# Altium PCB smoothieboard-5driver.PcbDoc (part 1 of 5) (continued)
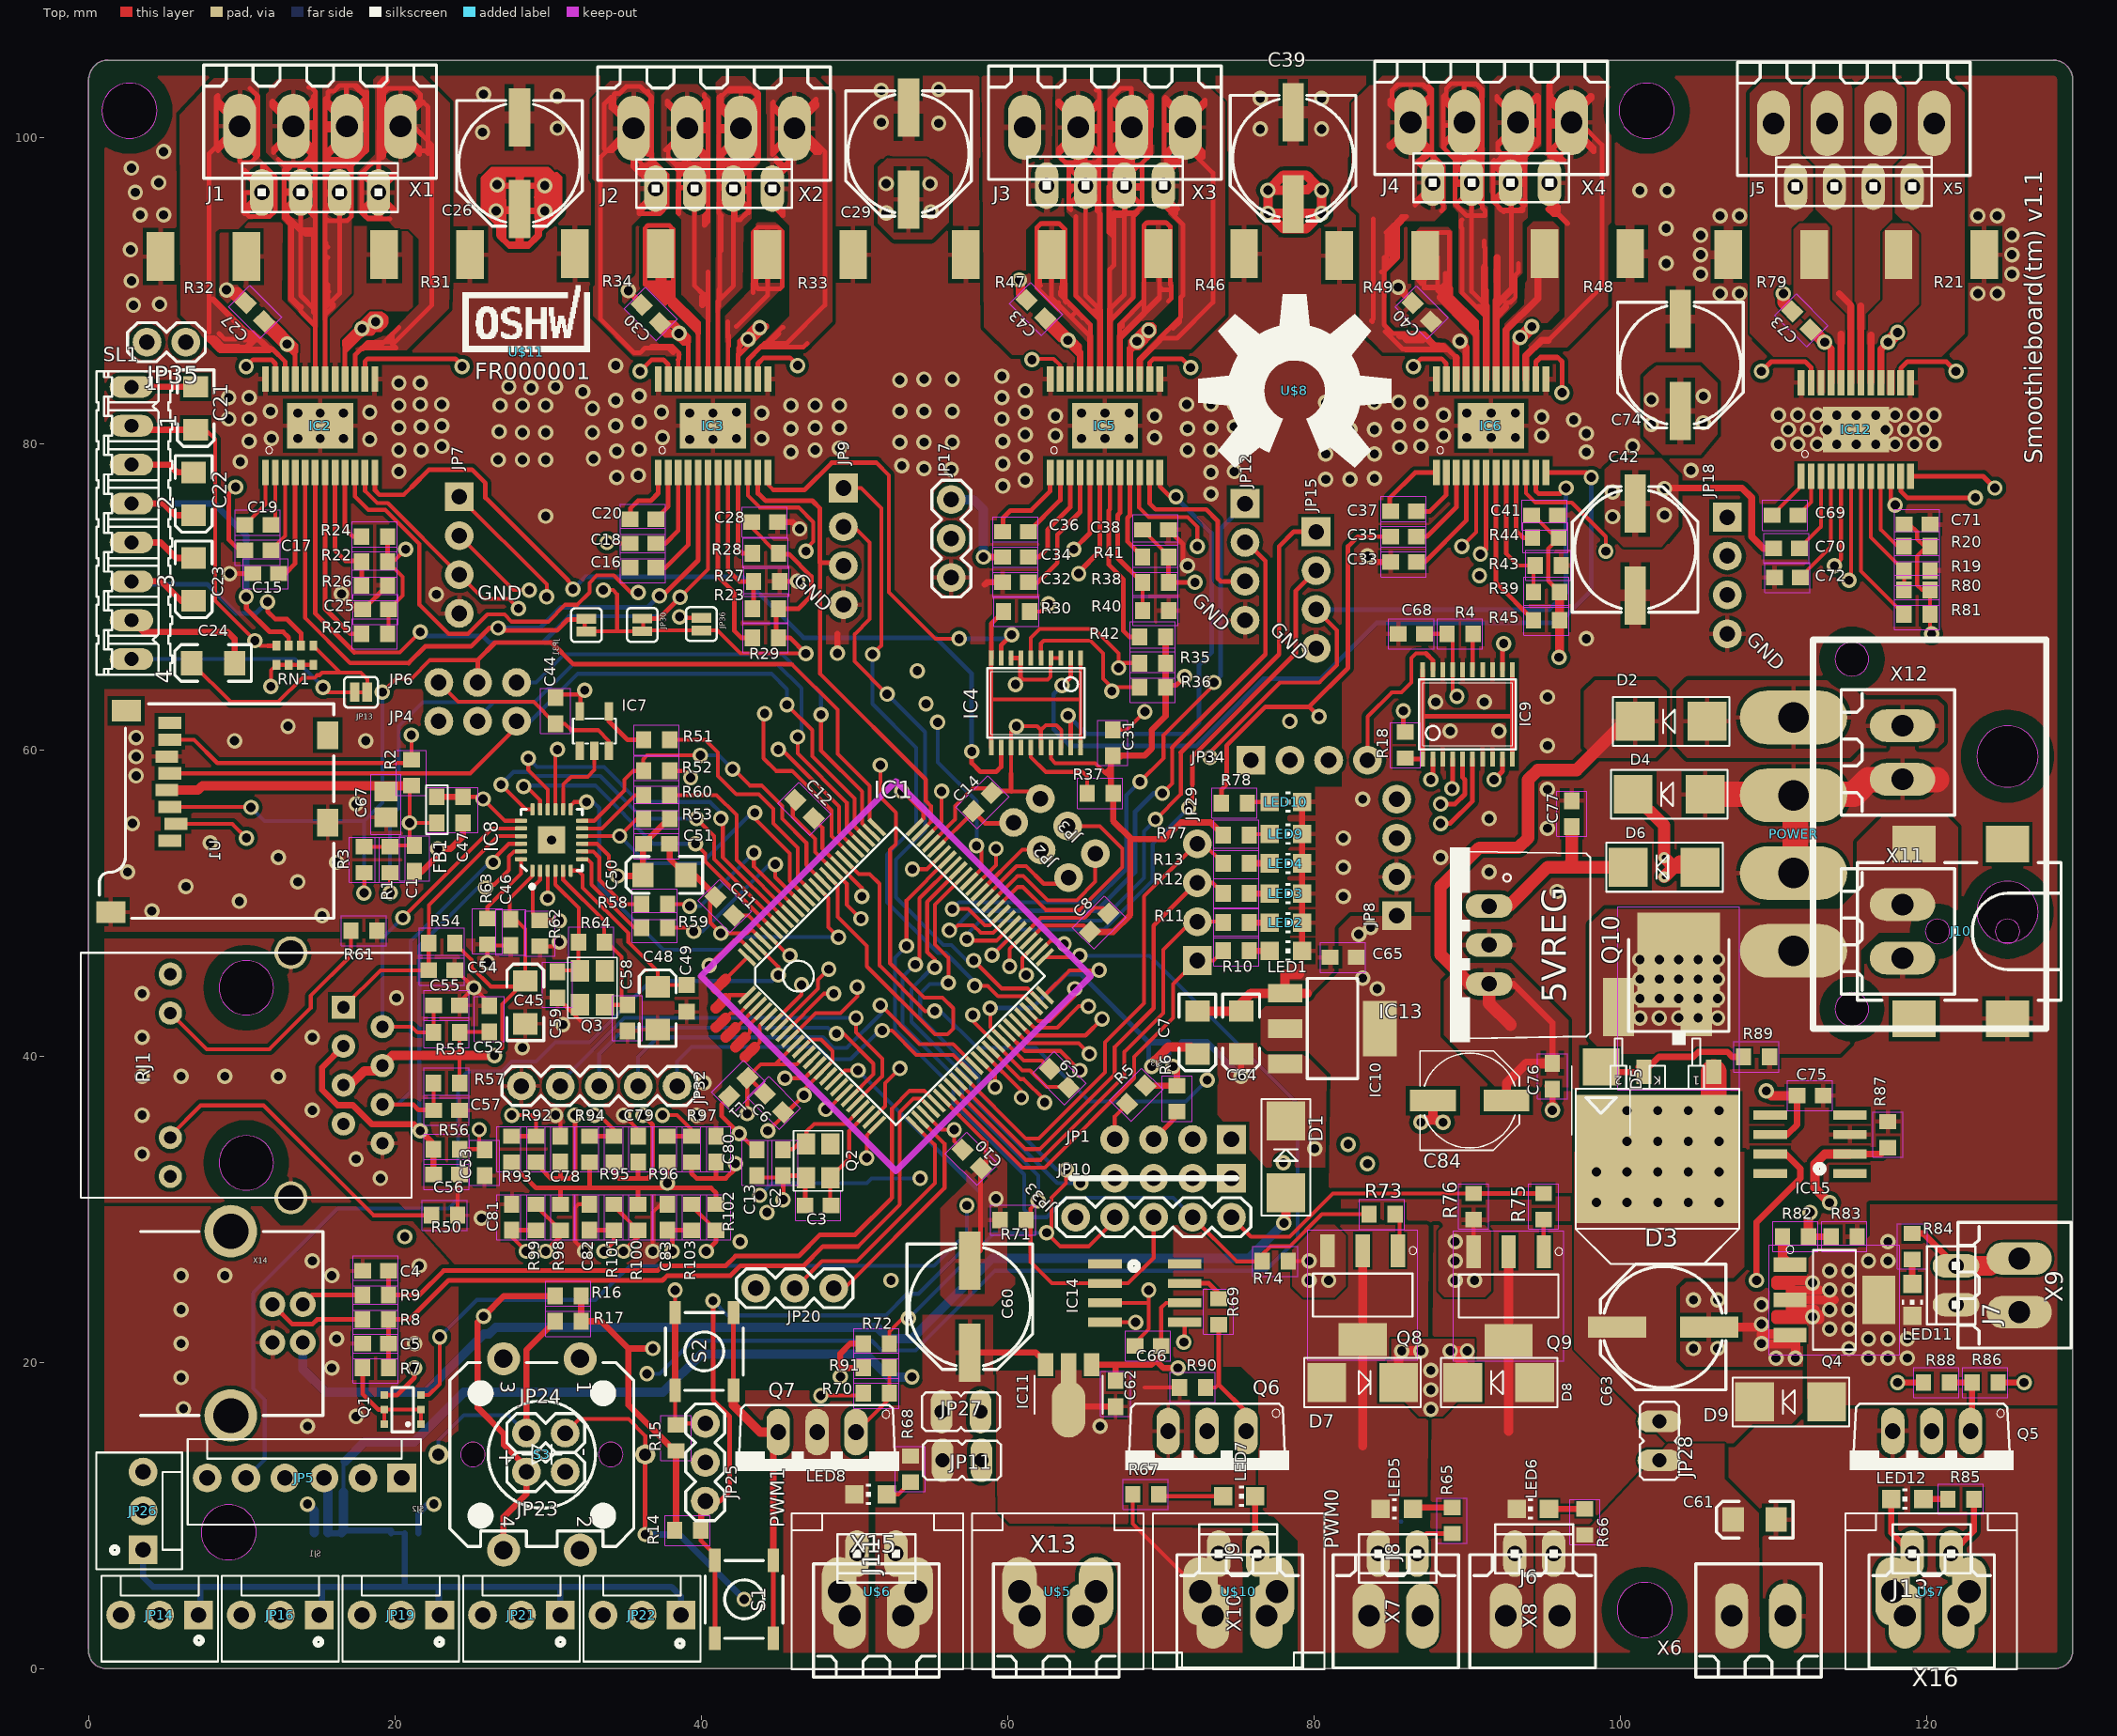
[diagram p0: Top view]
## Classes and differential pairs
polygon class PolygonThermal_ON_Width100000_Gap100000: Polygon_1_Net_3.3V Polygon_1_Net_AGND Polygon_3_Net_GND Polygon_4_Net_GND Polygon_6_Net_GND Polygon_7_Net_GND Polygon_12_Net_GND Polygon_13_Net_GND Polygon_23_Net_GND
polygon class PolygonThermal_ON_Width120000_Gap100000: Polygon_1_Net_+5V Polygon_1_Net_N$8 Polygon_1_Net_N$10 Polygon_1_Net_N$11 Polygon_1_Net_N$12 Polygon_1_Net_N$14 Polygon_1_Net_N$28 Polygon_1_Net_N$30 Polygon_1_Net_N$31 Polygon_1_Net_N$32 Polygon_1_Net_N$33 Polygon_1_Net_N$48 Polygon_1_Net_N$49 Polygon_1_Net_N$50 Polygon_1_Net_N$60 Polygon_1_Net_N$98 Polygon_1_Net_N$99 Polygon_1_Net_N$101 Polygon_1_Net_N$102 Polygon_1_Net_N$103 Polygon_1_Net_N$104 Polygon_2_Net_5V Polygon_2_Net_GND Polygon_2_Net_VBB Polygon_4_Net_MOSFET_DRIVE Polygon_9_Net_GND
polygon class PolygonThermal_ON_Width660000_Gap100000: Polygon_19_Net_GND
polygon class PolygonThermal_ON_Width320000_Gap100000: Polygon_3_Net_5V Polygon_14_Net_GND Polygon_15_Net_GND Polygon_16_Net_GND Polygon_17_Net_GND
polygon class PolygonThermal_OFF: Polygon_1_Net_5V Polygon_1_Net_MOSFET_DRIVE Polygon_1_Net_N$18 Polygon_1_Net_N$45 Polygon_1_Net_N$46 Polygon_1_Net_N$52 Polygon_1_Net_N$65 Polygon_1_Net_N$66 Polygon_1_Net_N$70 Polygon_1_Net_N$71 Polygon_1_Net_N$72 Polygon_1_Net_N$76 Polygon_1_Net_N$88 Polygon_1_Net_N$92 Polygon_1_Net_N$94 Polygon_1_Net_N$109 Polygon_1_Net_SMALL_MOSFET_POWER Polygon_1_Net_VBB Polygon_1_Net_VBB_IN Polygon_2_Net_3.3V Polygon_2_Net_AGND Polygon_2_Net_MOSFET_DRIVE Polygon_2_Net_N$52 Polygon_2_Net_N$92 Polygon_2_Net_N$94 Polygon_2_Net_SMALL_MOSFET_POWER Polygon_2_Net_VBB_IN Polygon_3_Net_MOSFET_DRIVE Polygon_3_Net_N$94 Polygon_3_Net_SMALL_MOSFET_POWER Polygon_3_Net_VBB Polygon_4_Net_SMALL_MOSFET_POWER Polygon_4_Net_VBB Polygon_7_Net_VBB Polygon_8_Net_GND Polygon_8_Net_VBB Polygon_9_Net_VBB Polygon_10_Net_GND Polygon_11_Net_GND Polygon_18_Net_GND Polygon_20_Net_GND Polygon_21_Net_GND Polygon_22_Net_GND Polygon_24_Net_GND
polygon class PolygonThermal_ON_Width160000_Gap100000: Polygon_1_Net_GND Polygon_1_Net_N$34 Polygon_5_Net_VBB Polygon_6_Net_VBB
polygon class PolygonThermal_ON_Width240000_Gap100000: Polygon_5_Net_GND
polygon class Isolate_5: Polygon_1_Net_SMALL_MOSFET_POWER
polygon class Isolate_12: Polygon_4_Net_SMALL_MOSFET_POWER
polygon class Isolate_10: Polygon_1_Net_5V Polygon_1_Net_AGND Polygon_1_Net_N$94 Polygon_2_Net_3.3V Polygon_2_Net_AGND Polygon_2_Net_MOSFET_DRIVE Polygon_2_Net_N$92 Polygon_2_Net_N$94 Polygon_3_Net_MOSFET_DRIVE Polygon_3_Net_N$94 Polygon_3_Net_SMALL_MOSFET_POWER Polygon_3_Net_VBB Polygon_4_Net_VBB Polygon_7_Net_GND Polygon_8_Net_GND Polygon_9_Net_GND Polygon_10_Net_GND Polygon_11_Net_GND Polygon_12_Net_GND Polygon_13_Net_GND
pad class SMDSolder_OFF: IC2-EPAD IC3-EPAD IC5-EPAD IC6-EPAD IC11-1 IC11-2 IC11-3 IC12-EPAD
pad class SMDPaste_OFF: IC8-THERM IC11-1 IC11-2 IC11-2@1 IC11-3 SJ1-1 SJ1-2 SJ1-3 SJ2-1 SJ2-2 SJ2-3 SJ3-1 SJ3-2 SJ3-3

## Components (designator, comment, footprint, x,y, rotation, side; value= is the part's Value field where it differs from the comment)
C1 ".1uF" C0603 21.281,52.895 r90 top
C2 "12pF" C0603 45.347,33.02 r270 top
C3 "12pF" C0603 47.633,30.226 r180 top
C4 "18pF" C0603 18.741,25.971 r0 top
C5 "18pF" C0603 18.741,21.209 r0 top
C6 ".1uF" C0603 44.753,36.936 r315 top
C7 "10uF" EIA3216 72.398,41.529 r270 top
C8 ".1uF" C0603 65.985,48.704 r225 top
C9 ".1uF" C0603 63.381,38.544 r135 top
C10 ".1uF" C0603 57.666,33.274 r135 top
C11 ".1uF" C0603 41.537,49.784 r315 top
C12 ".1uF" C0603 46.744,56.134 r135 top
C13 ".1uF" C0603 43.643,33.029 r90 top
C14 ".1uF" C0603 58.365,56.578 r225 top
C15 ".22uF" C0603 11.565,71.501 r0 top
C16 ".22uF" C0603 36.203,71.882 r0 top
C17 ".1uF" C0603 11.057,73.025 r0 top
C18 ".1uF" C0603 36.203,73.469 r0 top
C19 ".1uF" C0603 11.057,74.676 r180 top
C20 ".1uF" C0603 36.203,75.057 r180 top
C21 "10uF" EIA3216 6.993,82.296 r270 top
C22 "10uF" EIA3216 6.866,76.708 r270 top
C23 "10uF" EIA3216 6.866,71.12 r270 top
C24 "10uF" EIA3216 8.136,65.659 r180 top
C25 ".1uF" C0603 18.741,69.151 r180 top
C26 "100uF" PANASONIC_E 28.139,98.298 r270 top
C27 ".1uF" C0603 10.867,88.582 r135 top
C28 ".1uF" C0603 44.141,74.867 r0 top
C29 "100uF" PANASONIC_E 53.539,98.933 r270 top
C30 ".1uF" C0603 36.711,88.456 r135 top
C31 ".1uF" C0603 66.874,60.452 r270 top
C32 ".22uF" C0603 60.524,70.929 r0 top
C33 ".22uF" C0603 85.86,72.263 r0 top
C34 ".1uF" C0603 60.524,72.581 r0 top
C35 ".1uF" C0603 85.86,73.914 r0 top
C36 ".1uF" C0603 60.524,74.231 r180 top
C37 ".1uF" C0603 85.86,75.565 r180 top
C38 ".1uF" C0603 69.668,74.358 r0 top
C39 "100uF" PANASONIC_E 78.649,98.633 r270 top
C40 ".1uF" C0603 87.048,88.564 r135 top
C41 ".1uF" C0603 95.068,75.311 r0 top
C42 "100uF" PANASONIC_E 100.982,73.076 r90 top
C43 ".1uF" C0603 61.857,88.773 r135 top
C44 ".1uF" C0603 30.488,62.547 r270 top
C45 "10uF" EIA3216 28.52,43.497 r90 top
C46 ".1uF" C0603 27.567,48.069 r270 top
C47 ".1uF" C0603 24.456,56.07 r270 top
C48 "1uF" EIA3216 37.156,43.116 r90 top
C49 "470pF" C0603K 39.061,43.752 r270 top
C50 "10uF" EIA3216 37.6,51.816 r180 top
C51 ".1uF" C0603 37.092,53.848 r0 top
C52 ".1uF" C0603 26.17,42.418 r90 top
C53 ".1uF" C0603 25.853,33.02 r270 top
C54 "18pF" C0603 23.059,45.593 r0 top
C55 "18pF" C0603 23.376,43.307 r0 top
C56 "18pF" C0603 23.376,32.258 r0 top
C57 "18pF" C0603 23.376,36.449 r0 top
C58 "12pF" C0603 35.187,42.481 r270 top
C59 "12pF" C0603 30.615,44.64 r270 top
C60 "100uF" PANASONIC_E 57.539,23.622 r270 top
C61 "10uF" EIA3216 108.784,9.716 r180 top
C62 ".1uF" C0603 67.062,17.942 r270 top
C63 "100uF" PANASONIC_E 102.815,22.288 r180 top
C64 "10uF" EIA3216 75.256,41.529 r270 top
C65 ".1uF" C0603 81.918,46.439 r180 top
C66 ".1uF" C0603 69.182,21.058 r180 top
C67 "1uF" C0805 19.408,56.429 r90 top
C68 ".1uF" C0603 86.368,67.564 r0 top
C69 ".1uF" C0603 110.771,75.309 r180 top
C70 ".1uF" C0603 110.863,73.154 r0 top
C71 ".1uF" C0603 119.388,74.708 r0 top
C72 ".22uF" C0603 110.928,71.249 r0 top
C73 ".1uF" C0603 111.838,88.029 r135 top
C74 "100uF" PANASONIC_E 103.933,85.119 r270 top
C75 ".1uF" C0603 112.403,37.401 r0 top
C76 ".1uF" C0603 95.576,38.672 r270 top
C77 ".33uF" C0603 96.846,55.816 r90 top
C78 ".1uF" C0603 30.806,33.909 r90 top
C79 ".1uF" C0603 35.886,33.909 r90 top
C80 ".1uF" C0603 40.966,33.909 r90 top
C81 ".1uF" C0603 27.631,29.464 r90 top
C82 ".1uF" C0603 32.711,29.464 r90 top
C83 ".1uF" C0603 37.791,29.464 r90 top
C84 "100uF" PANASONIC_D 90.178,37.084 r0 top
D1 "MBRA210LT3" SMADIODE 78.177,33.401 r270 top
D2 "MBRA210LT3" SMADIODE 103.323,61.849 r0 top
D3 "VS-25CTQ045S" TO263AB 108.784,45.72 r180 top
D4 "B1100-13-F" SMADIODE 103.196,57.087 r0 top
D5 "15v" SMB 98.751,37.084 r90 top
D6 "MBRA210LT3" SMADIODE 102.878,52.324 r0 top
D7 "MBRA210LT3" SMADIODE 83.193,18.669 r180 top
D8 "MBRA210LT3" SMADIODE 92.083,18.669 r0 top
D9 "MBRA210LT3" SMADIODE 111.133,17.399 r0 top
FB1 "" 0603 22.741,56.07 r90 top
IC1 "LPC1769" LQFP100 52.713,45.212 r315 top
IC2 "" ETSSOP24 15.121,81.153 r0 top
IC3 "" ETSSOP24 40.775,81.153 r0 top
IC4 "MCP44X1" TSSOP20 61.857,63.055 r180 top
IC5 "" ETSSOP24 66.366,81.153 r0 top
IC6 "" ETSSOP24 91.575,81.153 r0 top
IC7 "" SOT23-5 33.028,61.214 r0 top
IC8 "" QFN24_4MM 30.234,54.102 r90 top
IC9 "MCP44X1" TSSOP20 90.043,62.309 r0 top
IC10 "LM1117-3.3V" SOT223 81.225,41.783 r270 top
IC11 "78L12F" SOT89 63.988,17.859 r180 top
IC12 "" ETSSOP24 115.395,80.909 r0 top
IC13 "R-78E-5.0" R-78 88.908,47.244 r270 top
IC14 "TC4427" SOIC8 68.969,24.511 r270 top
IC15 "TC4427" SOIC8 112.403,34.227 r90 top
J1 "" 10X04MTA 15.121,96.393 r0 top
J2 "" 10X04MTA 40.839,96.647 r0 top
J3 "" 10X04MTA 66.366,96.837 r0 top
J4 "" 10X04MTA 91.575,97.028 r0 top
J5 "" 10X04MTA 115.261,96.774 r0 top
J6 "" 10X02MTA 94.393,7.493 r0 top
J7 "" 10X02MTA 121.928,25.019 r90 top
J8 "" 10X02MTA 85.479,7.493 r180 top
J9 "" 10X02MTA 75.058,7.493 r0 top
J10 "" POWER_JACK_SMD 125.294,48.133 r180 top
J11 "" 10X02MTA 51.443,7.493 r180 top
J13 "" 10X02MTA 120.341,7.493 r0 top
JP1 "" 1X04_NO_SILK 74.621,34.544 r180 top
JP2 "" 1X03_NO_SILK 60.397,55.245 r315 top
JP3 "" 1X03_NO_SILK 65.731,53.213 r135 top
JP4 "" 1X03_NO_SILK 22.868,61.849 r0 top
JP5 "" MOLEX-1X6 20.445,12.429 r180 top
JP6 "" 1X03_NO_SILK 27.948,64.389 r180 top
JP7 "" 1X04_NO_SILK 24.202,76.517 r270 top
JP8 "" 1X04_NO_SILK 85.416,49.149 r90 top
JP9 "" 1X04_NO_SILK 49.284,77.089 r270 top
JP10 "" 1X04_NO_SILK 74.621,32.004 r180 top
JP11 "" JP1 57.031,13.589 r270 top
JP12 "" 1X04_NO_SILK 75.51,76.073 r270 top
JP13 "" SJ_2S 17.788,63.754 r0 top
JP14 "" MOLEX-1X3 7.184,3.492 r180 top
JP15 "" 1X04_NO_SILK 80.145,74.231 r270 top
JP16 "" MOLEX-1X3 15.058,3.492 r180 top
JP17 "" 1X03 56.333,76.327 r270 top
JP18 "" 1X04_NO_SILK 107.006,75.184 r270 top
JP19 "" MOLEX-1X3 22.932,3.492 r180 top
JP20 "" 1X03 48.649,24.828 r180 top
JP21 "" MOLEX-1X3 30.806,3.492 r180 top
JP22 "" MOLEX-1X3 38.68,3.492 r180 top
JP23 "" 1X02 28.583,12.827 r0 top
JP24 "" 1X02 28.583,15.367 r0 top
JP25 "" 1X03 40.267,10.922 r90 top
JP26 "" MOLEX-1X3 3.564,7.747 r90 top
JP27 "" JP1 56.968,16.764 r270 top
JP28 "" JP1 102.561,14.859 r0 top
JP29 "" 1X04_NO_SILK 72.398,46.228 r90 top
JP30 "" SJ_2S 36.152,68.148 r270 top
JP31 "" SJ_2S 32.507,68.135 r90 top
JP32 "" 1X05 38.426,38.036 r180 top
JP33 "" 1X05 74.621,29.464 r180 top
JP34 "" 1X04_NO_SILK 75.891,59.309 r0 top
JP35 "" 1X02 6.358,86.614 r180 top
JP36 "" SJ_2S 40.013,68.199 r270 top
L1 "" 0603 42.426,37.973 r225 top
LED1 "" CHIP-LED0805 78.177,46.863 r270 top
LED2 "" CHIP-LED0805 78.177,48.704 r270 top
LED3 "" CHIP-LED0805 78.177,50.609 r270 top
LED4 "" CHIP-LED0805 78.177,52.578 r270 top
LED5 "" CHIP-LED0805 85.416,10.414 r90 top
LED6 "" CHIP-LED0805 94.306,10.414 r90 top
LED7 "" CHIP-LED0805 75.129,11.239 r270 top
LED8 "" CHIP-LED0805 51.062,11.367 r90 top
LED9 "" CHIP-LED0805 78.177,54.483 r270 top
LED10 "" CHIP-LED0805 78.177,56.578 r270 top
LED11 "" CHIP-LED0805 119.071,24.066 r180 top
LED12 "" CHIP-LED0805 118.753,11.049 r90 top
POWER "" MOLEX8981 112.594,44.323 r0 top
Q1 "BSL207SP" SC74_INFINEON 20.508,16.894 r90 top
Q2 "12MHz" CRYSTAL_3.2X2.5 47.633,33.147 r90 top
Q3 "25MHz" CRYSTAL_3.2X2.5 32.901,44.45 r270 top
Q4 "ZXMN4A06" SOT230P700X160-4N 113.991,24.066 r0 top
Q5 "AOT240L" TO220BV 120.341,12.954 r180 top
Q6 "AOT240L" TO220BV 73.033,12.954 r180 top
Q7 "AOT240L" TO220BV 47.57,12.89 r180 top
Q8 "ZXMN4A06" SOT230P700X160-4N 83.193,24.384 r270 top
Q9 "ZXMN4A06" SOT230P700X160-4N 92.718,24.32 r270 top
Q10 "SUD50P04-08-GE3" TO252 103.831,43.752 r0 top
R1 "10K" R0603 19.682,52.813 r90 top
R2 "10K" R0603 21.082,58.498 r270 top
R3 "10K" R0603 18.004,52.813 r90 top
R4 "100K" R0603 89.543,67.564 r180 top
R5 "2.2k" R0603 68.405,37.46 r45 top
R6 "2.2k" R0603 71.065,37.211 r90 top
R7 "1.5K" R0603 18.741,19.621 r180 top
R8 "33R" R0603 18.741,22.796 r0 top
R9 "33R" R0603 18.741,24.384 r0 top
R10 "1k" R0603 74.938,46.863 r180 top
R11 "1k" R0603 74.938,48.704 r180 top
R12 "1k" R0603 74.938,50.609 r180 top
R13 "1k" R0603 74.938,52.578 r180 top
R14 "10K" R0603 39.124,9.017 r180 top
R15 "10K" R0603 38.362,15.05 r270 top
R16 "10K" R0603 31.314,24.32 r0 top
R17 "330R" R0603 31.314,22.669 r180 top
R18 "33K" R0603 85.976,60.304 r90 top
R19 "10K" R0603 119.388,71.691 r0 top
R20 "10K" R0603 119.388,73.279 r0 top
R21 "0.05R" R2512 120.976,92.329 r180 top
R22 "NP" R0603 18.677,72.263 r180 top
R23 "NP" R0603 44.204,69.215 r0 top
R24 "10K" R0603 18.677,73.914 r0 top
R25 "10K" R0603 18.677,67.564 r0 top
R26 "10K" R0603 18.677,70.739 r0 top
R27 "10K" R0603 44.268,70.993 r0 top
R28 "10K" R0603 44.204,72.834 r0 top
R29 "10K" R0603 44.204,67.31 r0 top
R30 "33K" R0603 60.587,69.025 r0 top
R31 "0.05R" R2512 22.106,92.329 r180 top
R32 "0.05R" R2512 7.501,92.202 r0 top
R33 "0.05R" R2512 47.125,92.329 r180 top
R34 "0.05R" R2512 34.552,92.392 r0 top
R35 "2.2k" R0603 69.477,65.659 r0 top
R36 "2.2k" R0603 69.477,64.072 r0 top
R37 "100K" R0603 66.048,57.15 r0 top
R38 "NP" R0603 69.668,70.929 r0 top
R39 "NP" R0603 95.195,70.294 r0 top
R40 "10K" R0603 69.668,69.088 r0 top
R41 "10K" R0603 69.668,72.581 r0 top
R42 "10K" R0603 69.477,67.373 r0 top
R43 "10K" R0603 95.308,72.029 r0 top
R44 "10K" R0603 95.131,73.85 r0 top
R45 "10K" R0603 95.195,68.453 r0 top
R46 "0.05R" R2512 72.652,92.392 r180 top
R47 "0.05R" R2512 60.079,92.329 r0 top
R48 "0.05R" R2512 97.862,92.392 r180 top
R49 "0.05R" R2512 84.463,92.266 r0 top
R50 "330R" R0603 23.249,29.591 r180 top
R51 "22R" R0603 37.092,60.642 r0 top
R52 "1.5K" R0603 37.092,58.61 r0 top
R53 "10K" R0603 37.092,55.499 r0 top
R54 "49.9R" R0603 23.059,47.371 r180 top
R55 "49.9R" R0603 23.376,41.529 r180 top
R56 "49.9R" R0603 23.376,33.909 r180 top
R57 "49.9R" R0603 23.376,38.227 r180 top
R58 "22R" R0603 36.965,49.911 r0 top
R59 "22R" R0603 36.965,48.387 r0 top
R60 "22R" R0603 37.092,57.023 r0 top
R61 "330R" R0603 17.982,48.176 r180 top
R62 "10K" R0603 29.472,48.006 r90 top
R63 "12.1K" R0603 26.043,48.133 r90 top
R64 "1M" R0603 32.838,47.434 r180 top
R65 "8.2K" R0603 89.035,9.652 r90 top
R66 "8.2K" R0603 97.693,9.565 r90 top
R67 "8.2K" R0603 69.033,11.367 r0 top
R68 "8.2K" R0603 53.666,13.018 r270 top
R69 "22R" R0603 73.785,23.294 r270 top
R70 "22R" R0603 51.443,17.97 r0 top
R71 "10k" R0603 60.359,29.281 r0 top
R72 "10k" R0603 51.443,21.209 r0 top
R73 "22R" R0603 84.463,29.654 r180 top
R74 "10k" R0603 77.478,26.585 r0 top
R75 "22R" R0603 95.004,30.162 r90 top
R76 "10k" R0603 90.432,30.162 r270 top
R77 "1k" R0603 74.938,54.419 r180 top
R78 "8.2K" R0603 74.811,56.515 r180 top
R79 "0.05R" R2512 109.863,92.329 r0 top
R80 "NP" R0603 119.388,70.421 r0 top
R81 "10K" R0603 119.388,68.834 r0 top
R82 "22R" R0603 111.451,28.194 r0 top
R83 "10k" R0603 114.626,28.194 r0 top
R84 "8.2K" R0603 119.071,27.559 r270 top
R85 "8.2K" R0603 122.246,11.049 r180 top
R86 "10k" R0603 123.833,18.669 r0 top
R87 "10k" R0603 117.483,34.861 r270 top
R88 "22R" R0603 120.658,18.669 r180 top
R89 "10k" R0603 108.911,39.941 r0 top
R90 "10k" R0603 72.081,18.351 r180 top
R91 "10k" R0603 51.443,19.621 r180 top
R92 "5k6" R0603 29.218,33.909 r270 top
R93 "1k" R0603 27.631,33.909 r270 top
R94 "1k" R0603 32.711,33.909 r270 top
R95 "5k6" R0603 34.298,33.909 r270 top
R96 "1k" R0603 37.791,33.909 r270 top
R97 "5k6" R0603 39.378,33.909 r270 top
R98 "1k" R0603 30.806,29.464 r90 top
R99 "5k6" R0603 29.218,29.464 r270 top
R100 "1k" R0603 35.886,29.464 r90 top
R101 "5k6" R0603 34.298,29.464 r270 top
R102 "1k" R0603 40.966,29.464 r90 top
R103 "5k6" R0603 39.378,29.464 r270 top
RJ1 "HR911105A" HR911105A 10.295,38.735 r180 top
RN1 "4.7K" 0603-ARV 13.47,66.167 r0 top
S1 "" TACTILE_SWITCH_SMD 42.807,4.508 r90 top
S2 "" TACTILE_SWITCH_SMD 40.204,20.701 r90 top
S3 "" TACTILE-PTH-LED-12MM 29.599,13.97 r270 top
SJ1 "" SJ_3 15.623,8.874 r0 bottom
SJ2 "" SJ_3 20.646,8.826 r180 bottom
SJ3 "" SJ_3 70.493,40.894 r0 bottom
SL1 "" 08P 2.802,74.803 r270 top
U1 "USD-SOCKETNEW" MICRO-SD-SOCKET-PP 16.01,62.992 r90 top
U$5 "" 1715250000 60.786,5.029 r0 top
U$6 "" 1715250000 49.008,5.029 r0 top
U$7 "" 1715250000 117.801,5.029 r0 top
U$8 "" OSHW-LOGO-HUGE 78.748,83.439 r0 top
U$9 "" OSHW-LOGO-HUGE 82.241,91.059 r180 bottom
U$10 "" 1715250000 77.595,5.029 r180 top
U$11 "FR000001" CERT-SMALL-SILK 28.583,85.979 r0 top
U$12 "FR000001" CERT-MED-SILK 99.703,86.614 r180 bottom
X1 "" 180G-4 15.121,100.711 r180 top
X2 "" 180G-4 40.839,100.584 r180 top
X3 "" 180G-4 66.366,100.647 r180 top
X4 "" 180G-4 91.575,100.965 r180 top
X5 "" 180G-4 115.261,100.901 r180 top
X6 "" 180G-2 109.038,3.429 r0 top
X7 "" 180G-2 85.352,3.429 r180 top
X8 "" 180G-2 94.293,3.429 r180 top
X9 "" 180G-2 126.056,25.019 r270 top
X10 "" 180G-2 75.16,3.429 r180 top
X11 "" 180G-2 118.436,48.133 r270 top
X12 "" 180G-2 118.436,59.817 r270 top
X13 "" 180G-2 63.191,3.429 r0 top
X14 "USBPTH" USB-B-PTH 12.008,22.529 r0 top
X15 "" 180G-2 51.443,3.429 r0 top
X16 "" 180G-2 120.341,3.429 r180 top

## Footprints (in the part's own frame and the unit in brackets; to place one, negate y for a bottom-side part, rotate by r counter-clockwise, add the part's x,y. Pads: shape width x height; smd on the part's side, far side on the other; paste and mask are expansions set on the pad)
1X02 [mil] "1X02"
  round 74 hole 40: 1(0,0) 2(100,0)
  silkscreen extent -50,-50 150,50
1X03 [mil] "1X03"
  round 74 hole 40: 1(0,0) 2(100,0) 3(200,0)
  silkscreen extent -50,-50 250,50
1X03_NO_SILK [mil] "1X03_NO_SILK"
  round 74 hole 40: 1(0,0) 2(100,0) 3(200,0)
1X04_NO_SILK [mil] "1X04_NO_SILK"
  rect 74x74 / inner round 68.37 / far side rect 74x74 hole 40: 1(0,0)
  round 74 hole 40: 2(100,0) 3(200,0) 4(300,0)
1X05 [mil] "1X05"
  round 74 hole 40: 1(0,0) 2(100,0) 3(200,0) 4(300,0) 5(400,0)
  silkscreen extent -50,-50 450,50
08P [mil] "08P"
  oval 56x112 hole 36: 1(-350,0) 2(-250,0) 3(-150,0) 4(-50,0) 5(50,0) 6(150,0) 7(250,0) 8(350,0)
  silkscreen extent -390,-90 390,105
10X02MTA [mil] "10X02MTA"
  oval 60x120 hole 40: 1(50,0) 2(-50,0)
  silkscreen extent -100,-50 100,75
10X04MTA [mil] "10X04MTA"
  oval 60x120 hole 40: 1(150,0) 2(50,0) 3(-50,0) 4(-150,0)
  silkscreen extent -200,-50 200,75
180G-2 [mil] "180G-2"
  oval 84x168 hole 56: 1(-68.9,0) 2(68.9,0)
  silkscreen extent -161,-157 161,134
180G-4 [mil] "180G-4"
  oval 84x168 hole 56: 1(-206.69,0) 2(-68.9,0) 3(68.9,0) 4(206.69,0)
  silkscreen extent -299,-157 299,134
0603 [mm] "0603"
  rect 1.1x1 smd: 1(-0.85,0) 2(0.85,0)
  Keep-Out Layer lines w0.051: -1.473,0.729 -1.473,-0.729 1.473,-0.729 1.473,0.729 -1.473,0.729
  silkscreen extent -1.6,-0.7 1.6,0.7
0603-ARV [mm] "0603-ARV"
  rect 0.5x0.65 smd: 1(-1.2,-0.625) 2(-0.4,-0.625) 3(0.4,-0.625) 4(1.2,-0.625) 5(1.2,0.625) 6(0.4,0.625) 7(-0.4,0.625) 8(-1.2,0.625)
1715250000 [mm] "1715250000"
  oval 2.25x4.5 hole 1.5: P$1(0,0) P$2(5,0)
  silkscreen extent -3.1,-5.1 8.1,5.1
C0603 [mm] "C0603"
  rect 1.1x1 smd: 1(-0.85,0) 2(0.85,0)
  Keep-Out Layer lines w0.051: -1.473,0.983 -1.473,-0.983 1.473,-0.983 1.473,0.983 -1.473,0.983
C0603K [mm] "C0603K"
  rect 1.05x1.08 smd: 1(-0.875,0) 2(0.875,0)
C0805 [mm] "C0805"
  rect 1.3x1.5 smd: 1(-0.85,0) 2(0.85,0)
  Keep-Out Layer lines w0.051: -1.973,0.983 -1.973,-0.983 1.973,-0.983 1.973,0.983 -1.973,0.983
CERT-MED-SILK [mm] "CERT-MED-SILK"
CERT-SMALL-SILK [mm] "CERT-SMALL-SILK"
  silkscreen extent -4.15,0 4.15,4.34
CHIP-LED0805 [mm] "CHIP-LED0805"
  rect 1.2x1.2 smd: A(0,-1.05) C(0,1.05)
  silkscreen extent -0.67,0 0.67,0.3
CRYSTAL_3.2X2.5 [mil] "CRYSTAL_3.2X2.5"
  rect 55.12x47.24 smd: 1(-43.31,-31.5) 2(43.31,31.5) GND1(-43.31,31.5) GND2(43.31,-31.5)
  silkscreen extent -78,-63 78,63
EIA3216 [mm] "EIA3216"
  rect 1.4x1.6 smd: A(1.4,0) C(-1.4,0)
  silkscreen extent -2.5,-1.2 2.5,1.2
ETSSOP24 [mm] "ETSSOP24"
  rect 4.32x3 smd mask+0: EPAD(0,0)
  rect 0.45x1.65 smd: P01(-3.575,-3.05) P02(-2.925,-3.05) P03(-2.275,-3.05) P04(-1.625,-3.05) P05(-0.975,-3.05) P06(-0.325,-3.05) P07(0.325,-3.05) P08(0.975,-3.05) P09(1.625,-3.05) P10(2.275,-3.05) P11(2.925,-3.05) P12(3.575,-3.05) P13(3.575,3.05) P14(2.925,3.05) P15(2.275,3.05) P16(1.625,3.05) P17(0.975,3.05) P18(0.325,3.05) P19(-0.325,3.05) P20(-0.975,3.05) P21(-1.625,3.05) P22(-2.275,3.05) P23(-2.925,3.05) P24(-3.575,3.05)
  silkscreen extent -3.55,-1.82 -3.1,-1.38
HR911105A [mil] "HR911105A"
  round 60 hole 32: G+(195,-260) G-(195,-160) GND(-350,175) NC(-250,125) P4(-350,-25) P5(-250,25) RD+(-250,-75) RD-(-350,75) TD-(-350,-125) Y+(195,260) Y-(195,160)
  round 85 hole 65: SHIELD0(-115,315) SHIELD1(-115,-315)
  rect 60x60 / inner round 55.43 / far side rect 60x60 hole 32: TD+(-250,-175)
  silkscreen extent -425,-315 425,315
JP1 [mil] "JP1"
  oval 112x56 hole 36: 1(0,-50) 2(0,50)
  silkscreen extent -50,-100 50,100
LQFP100 [mm] "LQFP100"
  rect 0.27x1.5 smd: 1(-6,-7.75) 2(-5.5,-7.75) 3(-5,-7.75) 4(-4.5,-7.75) 5(-4,-7.75) 6(-3.5,-7.75) 7(-3,-7.75) 8(-2.5,-7.75) 9(-2,-7.75) 10(-1.5,-7.75) 11(-1,-7.75) 12(-0.5,-7.75) 13(0,-7.75) 14(0.5,-7.75) 15(1,-7.75) 16(1.5,-7.75) 17(2,-7.75) 18(2.5,-7.75) 19(3,-7.75) 20(3.5,-7.75) 21(4,-7.75) 22(4.5,-7.75) 23(5,-7.75) 24(5.5,-7.75) 25(6,-7.75) 51(6,7.75) 52(5.5,7.75) 53(5,7.75) 54(4.5,7.75) 55(4,7.75) 56(3.5,7.75) 57(3,7.75) 58(2.5,7.75) 59(2,7.75) 60(1.5,7.75) 61(1,7.75) 62(0.5,7.75) 63(0,7.75) 64(-0.5,7.75) 65(-1,7.75) 66(-1.5,7.75) 67(-2,7.75) 68(-2.5,7.75) 69(-3,7.75) 70(-3.5,7.75) 71(-4,7.75) 72(-4.5,7.75) 73(-5,7.75) 74(-5.5,7.75) 75(-6,7.75)
  rect 1.5x0.27 smd: 26(7.75,-6) 27(7.75,-5.5) 28(7.75,-5) 29(7.75,-4.5) 30(7.75,-4) 31(7.75,-3.5) 32(7.75,-3) 33(7.75,-2.5) 34(7.75,-2) 35(7.75,-1.5) 36(7.75,-1) 37(7.75,-0.5) 38(7.75,0) 39(7.75,0.5) 40(7.75,1) 41(7.75,1.5) 42(7.75,2) 43(7.75,2.5) 44(7.75,3) 45(7.75,3.5) 46(7.75,4) 47(7.75,4.5) 48(7.75,5) 49(7.75,5.5) 50(7.75,6) 76(-7.75,6) 77(-7.75,5.5) 78(-7.75,5) 79(-7.75,4.5) 80(-7.75,4) 81(-7.75,3.5) 82(-7.75,3) 83(-7.75,2.5) 84(-7.75,2) 85(-7.75,1.5) 86(-7.75,1) 87(-7.75,0.5) 88(-7.75,0) 89(-7.75,-0.5) 90(-7.75,-1) 91(-7.75,-1.5) 92(-7.75,-2) 93(-7.75,-2.5) 94(-7.75,-3) 95(-7.75,-3.5) 96(-7.75,-4) 97(-7.75,-4.5) 98(-7.75,-5) 99(-7.75,-5.5) 100(-7.75,-6)
  Keep-Out Layer lines w0.406: -9,-9 -9,9 9,9 9,-9 -9,-9
  silkscreen extent -6.87,-6.87 6.87,6.87
MICRO-SD-SOCKET-PP [mil] "MICRO-SD-SOCKET-PP"
  rect 31.5x59.06 smd: 1(-351.97,421.26) 2(-308.66,405.51) 3(-265.35,421.26) 4(-222.05,429.13) 5(-178.74,421.26) 6(-135.43,429.13) 7(-92.13,421.26) 8(-48.82,421.26)
  rect 70.87x55.12 smd: CD1(-80.71,15.75) CD2(-305.12,15.75)
  rect 55.12x74.8 smd: GND1(-535.43,572.83) GND3(-17.72,533.46)
  silkscreen extent -551,0 0,602
MOLEX8981 [mm] "MOLEX8981"
  oval 7x3.5 hole 2: P$1(-1.27,2.54) P$2(-1.27,7.62) P$3(-1.27,12.7) P$4(-1.27,17.78)
  silkscreen extent 0,-2.54 15.24,22.86
MOLEX-1X3 [mil] "MOLEX-1X3"
  rect 74x74 / inner round 68.37 / far side rect 74x74 hole 40: 1(0,0)
  round 74 hole 40: 2(100,0) 3(200,0)
  silkscreen extent -50,-100 250,120
MOLEX-1X6 [mil] "MOLEX-1X6"
  rect 74x74 / inner round 68.37 / far side rect 74x74 hole 40: 1(0,0)
  round 74 hole 40: 2(100,0) 3(200,0) 4(300,0) 5(400,0) 6(500,0)
  silkscreen extent -50,-100 550,120
OSHW-LOGO-HUGE [mm] "OSHW-LOGO-HUGE"
  silkscreen extent -6.3,-5 6.3,6.3
PANASONIC_D [mm] "PANASONIC_D"
  rect 3x1.4 smd: +(2.4,0) -(-2.4,0)
  silkscreen extent -3.25,-3.25 3.25,3.25
PANASONIC_E [mm] "PANASONIC_E"
  rect 3.8x1.4 smd: +(3,0) -(-3,0)
  silkscreen extent -4.1,-4.1 4.1,4.1
POWER_JACK_SMD [mm] "POWER_JACK_SMD"
  rect 2.8x2.4 smd: GND(0,-5.7) P$4(6.1,-5.7) VIN0(0,5.7) VIN1(6.1,5.7)
  silkscreen extent -3.5,-4.5 9.8,4.5
QFN24_4MM [mil] "QFN24_4MM"
  rrect50% 31.5x11.02 smd: 1(-78.74,49.21) 2(-78.74,29.53) 3(-78.74,9.84) 4(-78.74,-9.84) 5(-78.74,-29.53) 6(-78.74,-49.21) 13(78.74,-49.21) 14(78.74,-29.53) 15(78.74,-9.84) 16(78.74,9.84) 17(78.74,29.53) 18(78.74,49.21)
  rrect50% 11.02x31.5 smd: 7(-49.21,-78.74) 8(-29.53,-78.74) 9(-9.84,-78.74) 10(9.84,-78.74) 11(29.53,-78.74) 12(49.21,-78.74) 19(49.21,78.74) 20(29.53,78.74) 21(9.84,78.74) 22(-9.84,78.74) 23(-29.53,78.74) 24(-49.21,78.74)
  rect 70x70 smd paste+0: THERM(0,0)
  silkscreen extent -125,-79 79,79
R0603 [mm] "R0603"
  rect 1x1.1 smd: 1(-0.85,0) 2(0.85,0)
  Keep-Out Layer lines w0.051: -1.473,0.983 -1.473,-0.983 1.473,-0.983 1.473,0.983 -1.473,0.983
R2512 [mm] "R2512"
  rect 1.8x3.2 smd: 1(-2.8,0) 2(2.8,0)
R-78 [mil] "R-78"
  oval 60x120 hole 40: 1(-100,100) 2(0,100) 3(100,100)
  silkscreen extent -250,0 250,360
SC74_INFINEON [mm] "SC74_INFINEON"
  rect 0.5x0.5 smd: 1(-0.95,-1.2) 2(0,-1.2) 3(0.95,-1.2) 4(0.95,1.2) 5(0,1.2) 6(-0.95,1.2)
  silkscreen extent -1.45,-0.7 1.45,0.7
SJ_2S [mm] "SJ_2S"
  rect 0.635x1.27 smd: 1(-0.412,0) 2(0.412,0)
  silkscreen extent -1.1,-1 1.1,1
SJ_3 [mil] "SJ_3"
  rect 25x50 smd paste+0: 1(-35,0) 2(0,0) 3(35,0)
SMADIODE [mil] "SMADIODE"
  rect 100x100 smd: A(92.5,0) C(-92.5,0)
  silkscreen extent -149,-63 150,63
SMB [mm] "SMB"
  rect 2.4x2.4 smd: A(2.2,0) C(-2.2,0)
  silkscreen extent -2.26,-1.91 2.26,1.91
SOIC8 [mm] "SOIC8"
  rect 0.6x2.2 smd: 1(-1.905,-2.6) 2(-0.635,-2.6) 3(0.635,-2.6) 4(1.905,-2.6) 5(1.905,2.6) 6(0.635,2.6) 7(-0.635,2.6) 8(-1.905,2.6)
SOT23-5 [mm] "SOT23-5"
  rect 0.55x1.2 smd: 1(-0.95,-1.3) 2(0,-1.3) 3(0.95,-1.3) 4(0.95,1.3) 5(-0.95,1.3)
  silkscreen extent -1.4,-0.8 1.4,0.8
SOT89 [mm] "SOT89"
  rect 1x1.5 smd paste+0 mask+0: 1(-1.499,-1.981) 3(1.499,-1.981)
  rect 1x2 smd paste+0 mask+0: 2(0,-1.727)
  rrect100% 2.2x3.7 smd paste+0: 2@1(0,0.94)
  silkscreen extent -2.23,-1.25 2.23,1.22
SOT223 [mil] "SOT223"
  rect 48x88 smd: 1(-91,-122) 2(0,-122) 3(91,-122)
  rect 141.73x86.61 smd: 4(0,122.01)
  silkscreen extent -129,-65 129,65
SOT230P700X160-4N [mm] "SOT230P700X160-4N"
  rect 2.15x0.95 smd: 1(-2.9,2.3) 2(-2.9,0) 3(-2.9,-2.3)
  rect 2.15x3.15 smd: 4(2.9,0)
  Keep-Out Layer lines w0: -4.25,-3.6 4.25,-3.6 4.25,3.6 -4.25,3.6 -4.25,-3.6
  silkscreen extent -3.15,-3.25 1.4,3.53
TACTILE-PTH-LED-12MM [mil] "TACTILE-PTH-LED-12MM"
  round 85 hole 47.24: 1(-246.06,98.43) 2(246.06,98.43) 3(-246.06,-98.43) 4(246.06,-98.43)
  round 51.5 hole 31.5: A(0,265.75) C(0,-265.75)
  silkscreen extent -236,-236 236,236
TACTILE_SWITCH_SMD [mil] "TACTILE_SWITCH_SMD"
  rect 60x30 smd: 1(-100,75) 2(100,75) 3(-100,-75) 4(100,-75)
  silkscreen extent -100,-100 100,100
TO220BV [mil] "TO220BV"
  oval 60x120 hole 40: D(0,-100) G(-100,-100) S(100,-100)
  silkscreen extent -210,-170 210,0
TO252 [mm] "TO252"
  rect 1x1.6 smd: 1(-2.28,-4.8) 2(2.28,-4.8)
  rect 5.4x6.2 smd: 3(0,2.5)
  Keep-Out Layer lines w0.051: -3.973,-5.983 3.973,-5.983 3.973,5.983 -3.973,5.983 -3.973,-5.983
  silkscreen extent -3.28,-3.02 3.28,3.84
TO263AB [mil] "TO263AB"
  rect 80x150 smd: 1(150,100) 2(350,100)
  rect 420x330 smd: K(250,490)
  silkscreen extent 40,180 460,760
TSSOP20 [mil] "TSSOP20"
  rect 12x39 smd: 1(-115.16,-114.87) 2(-89.57,-114.87) 3(-63.98,-114.87) 4(-38.39,-114.87) 5(-12.8,-114.87) 6(12.8,-114.87) 7(38.39,-114.87) 8(63.98,-114.87) 9(89.57,-114.87) 10(115.16,-114.87) 11(115.16,114.87) 12(89.57,114.87) 13(63.98,114.87) 14(38.39,114.87) 15(12.8,114.87) 16(-12.8,114.87) 17(-38.39,114.87) 18(-63.98,114.87) 19(-89.57,114.87) 20(-115.16,114.87)
  silkscreen extent -125,-90 125,90
USB-B-PTH [mil] "USB-B-PTH"
  round 66 hole 36: D+(0,49.21) D-(78,49.21) GND(0,-49.21) VBUS(78,-49.21)
  round 135 hole 90: S1(-107,-237) S2(-107,237)
  silkscreen extent -339,-236 130,236

## Part data
C1 C2 C3 C4 C5 C6 C8 C9 C10 C11 C12 C13 C14 C15 C16 C17 C18 C19 C20 C25 C27 C28 C30 C31 C32 C33 C34 C35 C36 C37 C38 C40 C41 C43 C44 C46 C47 C51 C52 C53 C54 C55 C56 C57 C58 C59 C62 C65 C66 C68 C69 C70 C71 C72 C73 C75 C76 C77 C78 C79 C80 C81 C82 C83: library part C0603, PackageName=C0603
C7 C21 C22 C23 C24 C45 C48 C50 C61 C64: library part EIA3216, PackageName=EIA3216
C26 C29 C39 C42 C60 C63 C74: library part PANASONIC_E, PackageName=PANASONIC_E
C49: library part C0603K, PackageName=C0603K
C67: library part C0805, PackageName=C0805
C84: library part PANASONIC_D, PackageName=PANASONIC_D
D1 D2 D4 D6 D7 D8 D9: library part SMADIODE, PackageName=SMADIODE
D3: library part TO263AB, PackageName=TO263AB
D5: library part SMB, PackageName=SMB
FB1 L1: library part 0603, PackageName=0603
IC1: library part LQFP100, PackageName=LQFP100
IC2 IC3 IC5 IC6 IC12: library part ETSSOP24, PackageName=ETSSOP24
IC4 IC9: library part TSSOP20, PackageName=TSSOP20
IC7: library part SOT23-5, PackageName=SOT23-5
IC8: library part QFN24_4MM, PackageName=QFN24_4MM
IC10: library part SOT223, PackageName=SOT223
IC11: library part SOT89, PackageName=SOT89
IC13: library part R-78, PackageName=R-78
IC14 IC15: library part SOIC8, PackageName=SOIC8
J1 J2 J3 J4 J5: library part 10X04MTA, PackageName=10X04MTA
J6 J7 J8 J9 J11 J13: library part 10X02MTA, PackageName=10X02MTA
J10: library part POWER_JACK_SMD, PackageName=POWER_JACK_SMD
JP1 JP7 JP8 JP9 JP10 JP12 JP15 JP18 JP29 JP34: library part 1X04_NO_SILK, PackageName=1X04_NO_SILK
JP2 JP3 JP4 JP6: library part 1X03_NO_SILK, PackageName=1X03_NO_SILK
JP5: library part MOLEX-1X6, PackageName=MOLEX-1X6
JP11 JP27 JP28: library part JP1, PackageName=JP1
JP13 JP30 JP31 JP36: library part SJ_2S, PackageName=SJ_2S
JP14 JP16 JP19 JP21 JP22 JP26: library part MOLEX-1X3, PackageName=MOLEX-1X3
JP17 JP20 JP25: library part 1X03, PackageName=1X03
JP23 JP24 JP35: library part 1X02, PackageName=1X02
JP32 JP33: library part 1X05, PackageName=1X05
LED1 LED2 LED3 LED4 LED5 LED6 LED7 LED8 LED9 LED10 LED11 LED12: library part CHIP-LED0805, PackageName=CHIP-LED0805
POWER: library part MOLEX8981, PackageName=MOLEX8981
Q1: library part SC74_INFINEON, PackageName=SC74_INFINEON
Q2 Q3: library part CRYSTAL_3.2X2.5, PackageName=CRYSTAL_3.2X2.5
Q4 Q8 Q9: library part SOT230P700X160-4N, PackageName=SOT230P700X160-4N
Q5 Q6 Q7: library part TO220BV, PackageName=TO220BV
Q10: library part TO252, PackageName=TO252
R1 R2 R3 R4 R5 R6 R7 R8 R9 R10 R11 R12 R13 R14 R15 R16 R17 R18 R19 R20 R22 R23 R24 R25 R26 R27 R28 R29 R30 R35 R36 R37 R38 R39 R40 R41 R42 R43 R44 R45 R50 R51 R52 R53 R54 R55 R56 R57 R58 R59 R60 R61 R62 R63 R64 R65 R66 R67 R68 R69 R70 R71 R72 R73 R74 R75 R76 R77 R78 R80 R81 R82 R83 R84 R85 R86 R87 R88 R89 R90 R91 R92 R93 R94 R95 R96 R97 R98 R99 R100 R101 R102 R103: library part R0603, PackageName=R0603
R21 R31 R32 R33 R34 R46 R47 R48 R49 R79: library part R2512, PackageName=R2512
RN1: library part 0603-ARV, PackageName=0603-ARV
S1 S2: library part TACTILE_SWITCH_SMD, PackageName=TACTILE_SWITCH_SMD
S3: library part TACTILE-PTH-LED-12MM, PackageName=TACTILE-PTH-LED-12MM
SJ1 SJ2 SJ3: library part SJ_3, PackageName=SJ_3
SL1: library part 08P, PackageName=08P
U1: library part MICRO-SD-SOCKET-PP, PackageName=MICRO-SD-SOCKET-PP
U$5 U$6 U$7 U$10: library part 1715250000, PackageName=1715250000
U$8 U$9: library part OSHW-LOGO-HUGE, PackageName=OSHW-LOGO-HUGE
U$11: library part CERT-SMALL-SILK, PackageName=CERT-SMALL-SILK
U$12: library part CERT-MED-SILK, PackageName=CERT-MED-SILK
X1 X2 X3 X4 X5: library part 180G-4, PackageName=180G-4
X6 X7 X8 X9 X10 X11 X12 X13 X15 X16: library part 180G-2, PackageName=180G-2
X14: library part USB-B-PTH, PackageName=USB-B-PTH
RJ1: PackageName=HR911105A

## Free pads (board coordinates)
  round 3.556 hole 3.556 unplated: MH1(10.295,44.45) MH2(10.295,33.02)
  round 1.6 hole 1.6 unplated: MH1(34.099,13.97) MH1(125.294,48.133) MH2(25.099,13.97) MH2(120.722,48.133)
  round 3.6 hole 3.6 unplated: MH1(101.735,101.727) MH2(2.675,101.727) MH3(9.152,8.89) MH4(101.608,3.81)
  round 2.2 hole 2.2 unplated: MH1(115.134,65.913) MH2(115.134,43.053)
  round 4 hole 4 unplated: MH3(125.294,49.403) MH4(125.294,59.563)

## Via types
v1: diameter 1.006/1.006/1.006/1.006 (per signal layer), hole 0.6, Top to Bottom, tented both sides, 666 vias
v2: diameter 0.737/0.737/0.737/0.737 (per signal layer), hole 0.33, Top to Bottom, tented both sides, 2 vias
v3: diameter 1.016/1.006/1.006/1.016 (per signal layer), hole 0.6, Top to Bottom, tented both sides, 1 vias

## Nets (pads, with @x,y where several pads share a name; then routed paths per layer and width w, separated by ;. In a path a pad name is that pad's centre, name@x,y a point inside that pad or via, vN(x,y) a via of type N, cw(c..) or ccw(c..) an arc to the next point about the centre after c; other vN are vias at no path point)
3.3V: C1.2 C7.A C8.2 C9.2 C10.2 C11.2 C12.2 C13.2 C14.2 C25.1 C28.1 C31.2 C38.1 C41.1 C44.1 C50.A C51.1 C65.1 C67.2 C68.2 C71.1 FB1.1 IC1.19 IC1.28 IC1.42 IC1.54 IC1.71 IC1.84 IC1.96 IC4.17 IC7.5 IC8.9 IC9.4 IC9.17 IC10.2 IC10.4 JP1.1 JP2.1 JP4.1 JP8.1 JP17.2 JP30.2 JP31.1 JP36.2 L1.2 Q1.4 R1.2 R2.2 R3.2 R4.2 R14.2 R15.2 R16.2 R17.1 R18.2 R20.2 R22.1 R23.2 R24.2 R25.2 R28.2 R29.2 R30.2 R35.2 R36.2 R37.2 R38.2 R39.2 R41.2 R42.2 R44.2 R45.2 R52.2 R53.2 R77.2 R80.2 R81.2 SJ1.1 SJ2.1 SJ3.1 U1.4 | length 335.3
  Top w0.254: R3.2@18.004,53.663 R1.2@19.682,53.663 19.765,53.745 C1.2@21.281,53.745 20.963,54.063 v1(20.963,55.218) ; R25.2@19.527,67.564 19.59,67.627 C25.1@19.59,69.151 20.508,70.069 20.508,71.282 R22.1@19.527,72.263 19.884,72.263 v1(20.709,73.088) ; R2.2@21.082,57.648 20.963,57.529 v1(20.963,55.218) ; FB1.1@22.741,55.221 22.738,55.218 v1(20.963,55.218) ; C44.1@30.488,63.397 30.693,63.603 v1@32.115,63.603 ; IC7.5@32.115,62.551 v1@32.115,63.603 ; IC8.9@32.234,53.852 33.214,53.852 33.981,53.086 33.981,52.261 34.489,51.752 v1(34.552,51.752) ; v1(32.393,63.881) v1@32.115,63.603 ; JP31.1@32.507,67.724 34.508,67.724 ; v1(33.612,70.428) 34.247,70.428 34.508,70.166 34.508,67.724 ; C50.A@36.203,51.816 C50.A@36.2,51.816 36.263,51.752 C50.A@36.267,51.752 ; R53.2@37.854,55.499 R53.2@37.942,55.499 ; R52.2@37.942,58.61 38.87,58.61 v1(39.315,58.166) ; R14.2@38.255,9.037 R14.2@38.274,9.017 ; C11.2@42.138,49.183 43.085,49.183 IC1.96@44.404,47.864 45.723,46.545 v1(45.792,46.545) ; v1(42.49,34.925) 43.535,33.879 C13.2@43.643,33.879 ; C28.1@43.05,75.107 C28.1@43.291,74.867 43.291,74.51 45.03,72.771 45.03,72.81 R28.2@45.054,72.834 ; R29.2@45.03,67.31 R29.2@45.054,67.31 ; C12.2@46.143,56.735 45.982,56.574 45.982,55.626 47.443,54.165 47.443,53.311 IC1.84@48.647,52.106 49.508,51.246 49.508,49.877 v1(50.427,48.959) ; v1(46.832,66.27) 46.808,66.294 42.553,66.294 41.06,67.787 JP36.2@40.013,67.787 36.203,67.787 JP30.2@36.152,67.736 36.14,67.724 34.508,67.724 ; v1(48.141,36.512) 48.256,36.512 IC1.19@49.354,37.611 ; IC1.28@54.658,36.196 55.675,35.179 v1(56.523,35.179) 56.523,34.417 C10.2@57.065,33.875 ; IC1.71@55.365,53.521 57.764,55.919 C14.2@57.764,55.978 57.793,55.948 C14.2@57.793,55.944 ; v1(58.873,43.121) 58.873,41.881 IC1.42@59.607,41.146 61.066,39.688 62.238,39.688 C9.2@62.78,39.145 C9.2@62.81,39.116 ; IC1.54@61.375,47.51 62.379,48.514 64.973,48.514 C8.2@65.384,48.104 ; R30.2@61.437,69.025 62.175,69.025 v1(62.683,69.532) ; IC4.17@62.832,60.138 62.832,59.413 63.127,59.118 65.731,59.118 66.366,58.483 66.493,58.483 ; C31.2@66.747,59.475 C31.2@66.874,59.602 C31.2@66.874,59.627 ; C38.1@68.818,74.358 70.517,72.658 R41.2@70.517,72.581 ; R4.2@88.693,67.564 89.068,67.189 IC9.17@89.068,65.227 89.068,63.762 v1(89.341,63.489) ; C41.1@94.218,75.311 94.337,75.311 95.783,73.865 95.981,73.865 R44.2@95.981,73.85 ; R39.2@96.044,70.294 95.308,71.031 95.308,73.129 95.966,73.787 R44.2@96.044,73.787 ; C71.1@118.538,74.708 118.912,74.708 119.388,74.231 119.388,73.755 119.864,73.279 R20.2@120.238,73.279 ; R20.2@120.238,73.176 120.023,73.176 119.92,73.176 119.388,72.644 119.388,70.739 119.706,70.421 R80.2@120.238,70.421 R81.2@120.238,68.834 120.238,67.667 v1(120.341,67.564)
  Top w0.305: Q1.4@19.308,17.844 20.138,17.844 21.281,18.986 v1(21.281,19.621) ; R24.2@19.503,73.938 R24.2@19.527,73.914 R22.1@19.527,72.263 ; IC7.5@32.078,62.514 IC7.5@32.115,62.551 ; L1.2@41.825,37.372 41.825,37.309 41.347,36.83 41.347,36.068 v1(42.49,34.925) ; R29.2@45.03,67.31 44.903,67.437 44.903,69.215 R23.2@45.054,69.215 46.363,69.215 47.189,70.04 47.189,71.31 45.728,72.771 R28.2@45.03,72.771 ; R29.2@45.054,67.31 45.792,67.31 v1(46.832,66.27) ; C14.2@57.793,55.944 58.555,55.181 60.333,55.181 JP2.1@60.397,55.245 ; 66.874,55.435 66.874,56.896 66.747,57.023 66.747,58.356 66.62,58.483 66.429,58.483 ; R42.2@70.327,67.373 70.327,65.493 70.303,65.468 70.303,64.262 70.366,64.198 71.001,64.198 v1(71.573,64.77) ; R41.2@70.517,72.581 R38.2@70.517,70.929 v1(72.239,70.929) ; v1(85.848,62.537) 85.848,61.282 R18.2@85.976,61.154 ; C68.2@87.218,67.564 R4.2@88.693,67.564 ; v1(89.023,57.457) 89.068,57.502 IC9.4@89.068,59.391 ; R20.2@120.023,73.176 120.126,73.279 R20.2@120.238,73.279 ; 66.429,58.483 66.683,58.229 66.683,58.737 66.747,58.801 66.683,58.801 66.366,58.483 66.429,58.483
  Top w0.406: R16.2@32.163,24.32 R17.1@32.163,22.669 33.473,22.669 35.251,20.892 ; v1(34.552,51.752) C50.A@36.267,51.752 ; C50.A@36.2,51.816 36.2,53.806 C51.1@36.242,53.848 37.854,55.46 R53.2@37.854,55.499 ; v1(36.838,20.892) 35.251,20.892 ; R14.2@38.235,8.954 38.235,9.017 38.255,9.037 38.362,9.144 R15.2@38.362,14.2 38.259,14.2 35.251,17.209 35.251,20.892 ; C8.2@65.384,48.104 66.908,48.104 68.017,49.212 68.017,54.102 68.08,54.165 ; 66.493,58.483 66.747,58.483 ; C31.2@66.747,59.475 66.747,58.801 66.747,58.483 ; C31.2@66.874,59.602 66.898,59.627 67.636,59.627 ; C31.2@66.874,59.627 66.937,59.563 67.382,59.563 67.445,59.627 68.969,59.627 69.414,60.071 69.414,61.277 70.327,62.191 R36.2@70.327,64.072 R35.2@70.327,65.659 R42.2@70.327,67.373 ; R77.2@74.088,54.419 73.263,55.245 71.319,55.245 70.239,54.165 68.08,54.165 ; 66.747,58.483 66.747,58.356 66.747,57.301 R37.2@66.898,57.15 66.898,55.348 68.08,54.165
  Top w0.61: U1.4@5.11,57.352 7.131,57.352 7.427,57.648 C67.2@19.508,57.648 ; C67.2@19.408,57.279 19.408,57.548 C67.2@19.508,57.648 ; R2.2@21.082,57.648 C67.2@19.508,57.648 ; v1(69.414,39.306) 69.414,39.494 70.049,40.129 70.049,40.132 70.493,40.576 71.95,40.576 C7.A@72.398,40.129 ; R44.2@95.981,73.85 R44.2@96.044,73.787 ; v1(96.008,66.029) 96.044,66.065 R45.2@96.044,68.453 R39.2@96.044,70.294
  Top w1.016: IC10.4@84.324,41.783 84.4,41.783 84.527,41.656 84.463,41.656 84.209,41.91 IC10.4@84.654,41.91
  Route2 w0.406: 21.281,13.906 22.551,12.636 ; v1(96.008,66.029) 96.06,65.977 107.958,65.977 110.498,68.516 119.388,68.516 v1(120.341,67.564)
  Route2 w0.61: v1(14.296,10.731) v1(22.551,10.731) 22.551,12.636 ; v1(20.646,28.194) 23.821,28.194 26.361,25.654 ; 21.281,13.906 v1(21.281,19.621) 22.868,19.621 24.138,20.892 24.138,23.431 26.361,25.654 ; v1(36.838,20.892) 32.711,25.019 26.996,25.019 26.361,25.654 ; v1(45.792,46.545) 48.205,48.959 v1(50.427,48.959)
  Route15 w0.254: v1(32.393,63.881) v1@32.457,63.881 ; v1(39.315,58.166) v1@39.442,58.166
  Route15 w0.305: v1@46.808,66.294 v1(46.832,66.27) ; v1@62.556,69.659 v1(62.683,69.532) ; v1(71.573,64.77) v1@71.636,64.77
  Route15 w0.61: v1(96.008,66.029) 96.528,65.509 96.528,64.389
  Bottom w0.305: v1(58.873,43.121) 58.877,43.116 61.603,43.116 63.826,45.339 64.778,45.339 69.223,40.894 69.223,39.497 v1(69.414,39.306)
  Bottom w0.406: SJ2.1@21.535,8.826 21.535,10.096 22.17,10.731 v1(22.551,10.731) ; 69.223,40.894 SJ3.1@69.604,40.894
  Bottom w0.61: v1(14.296,10.731) 14.734,10.293 SJ1.1@14.734,8.874
  other v1: 84.146,44.386 83.193,45.085 82.939,47.942 83.709,48.391